# KiCad board OPDM.kicad_pcb
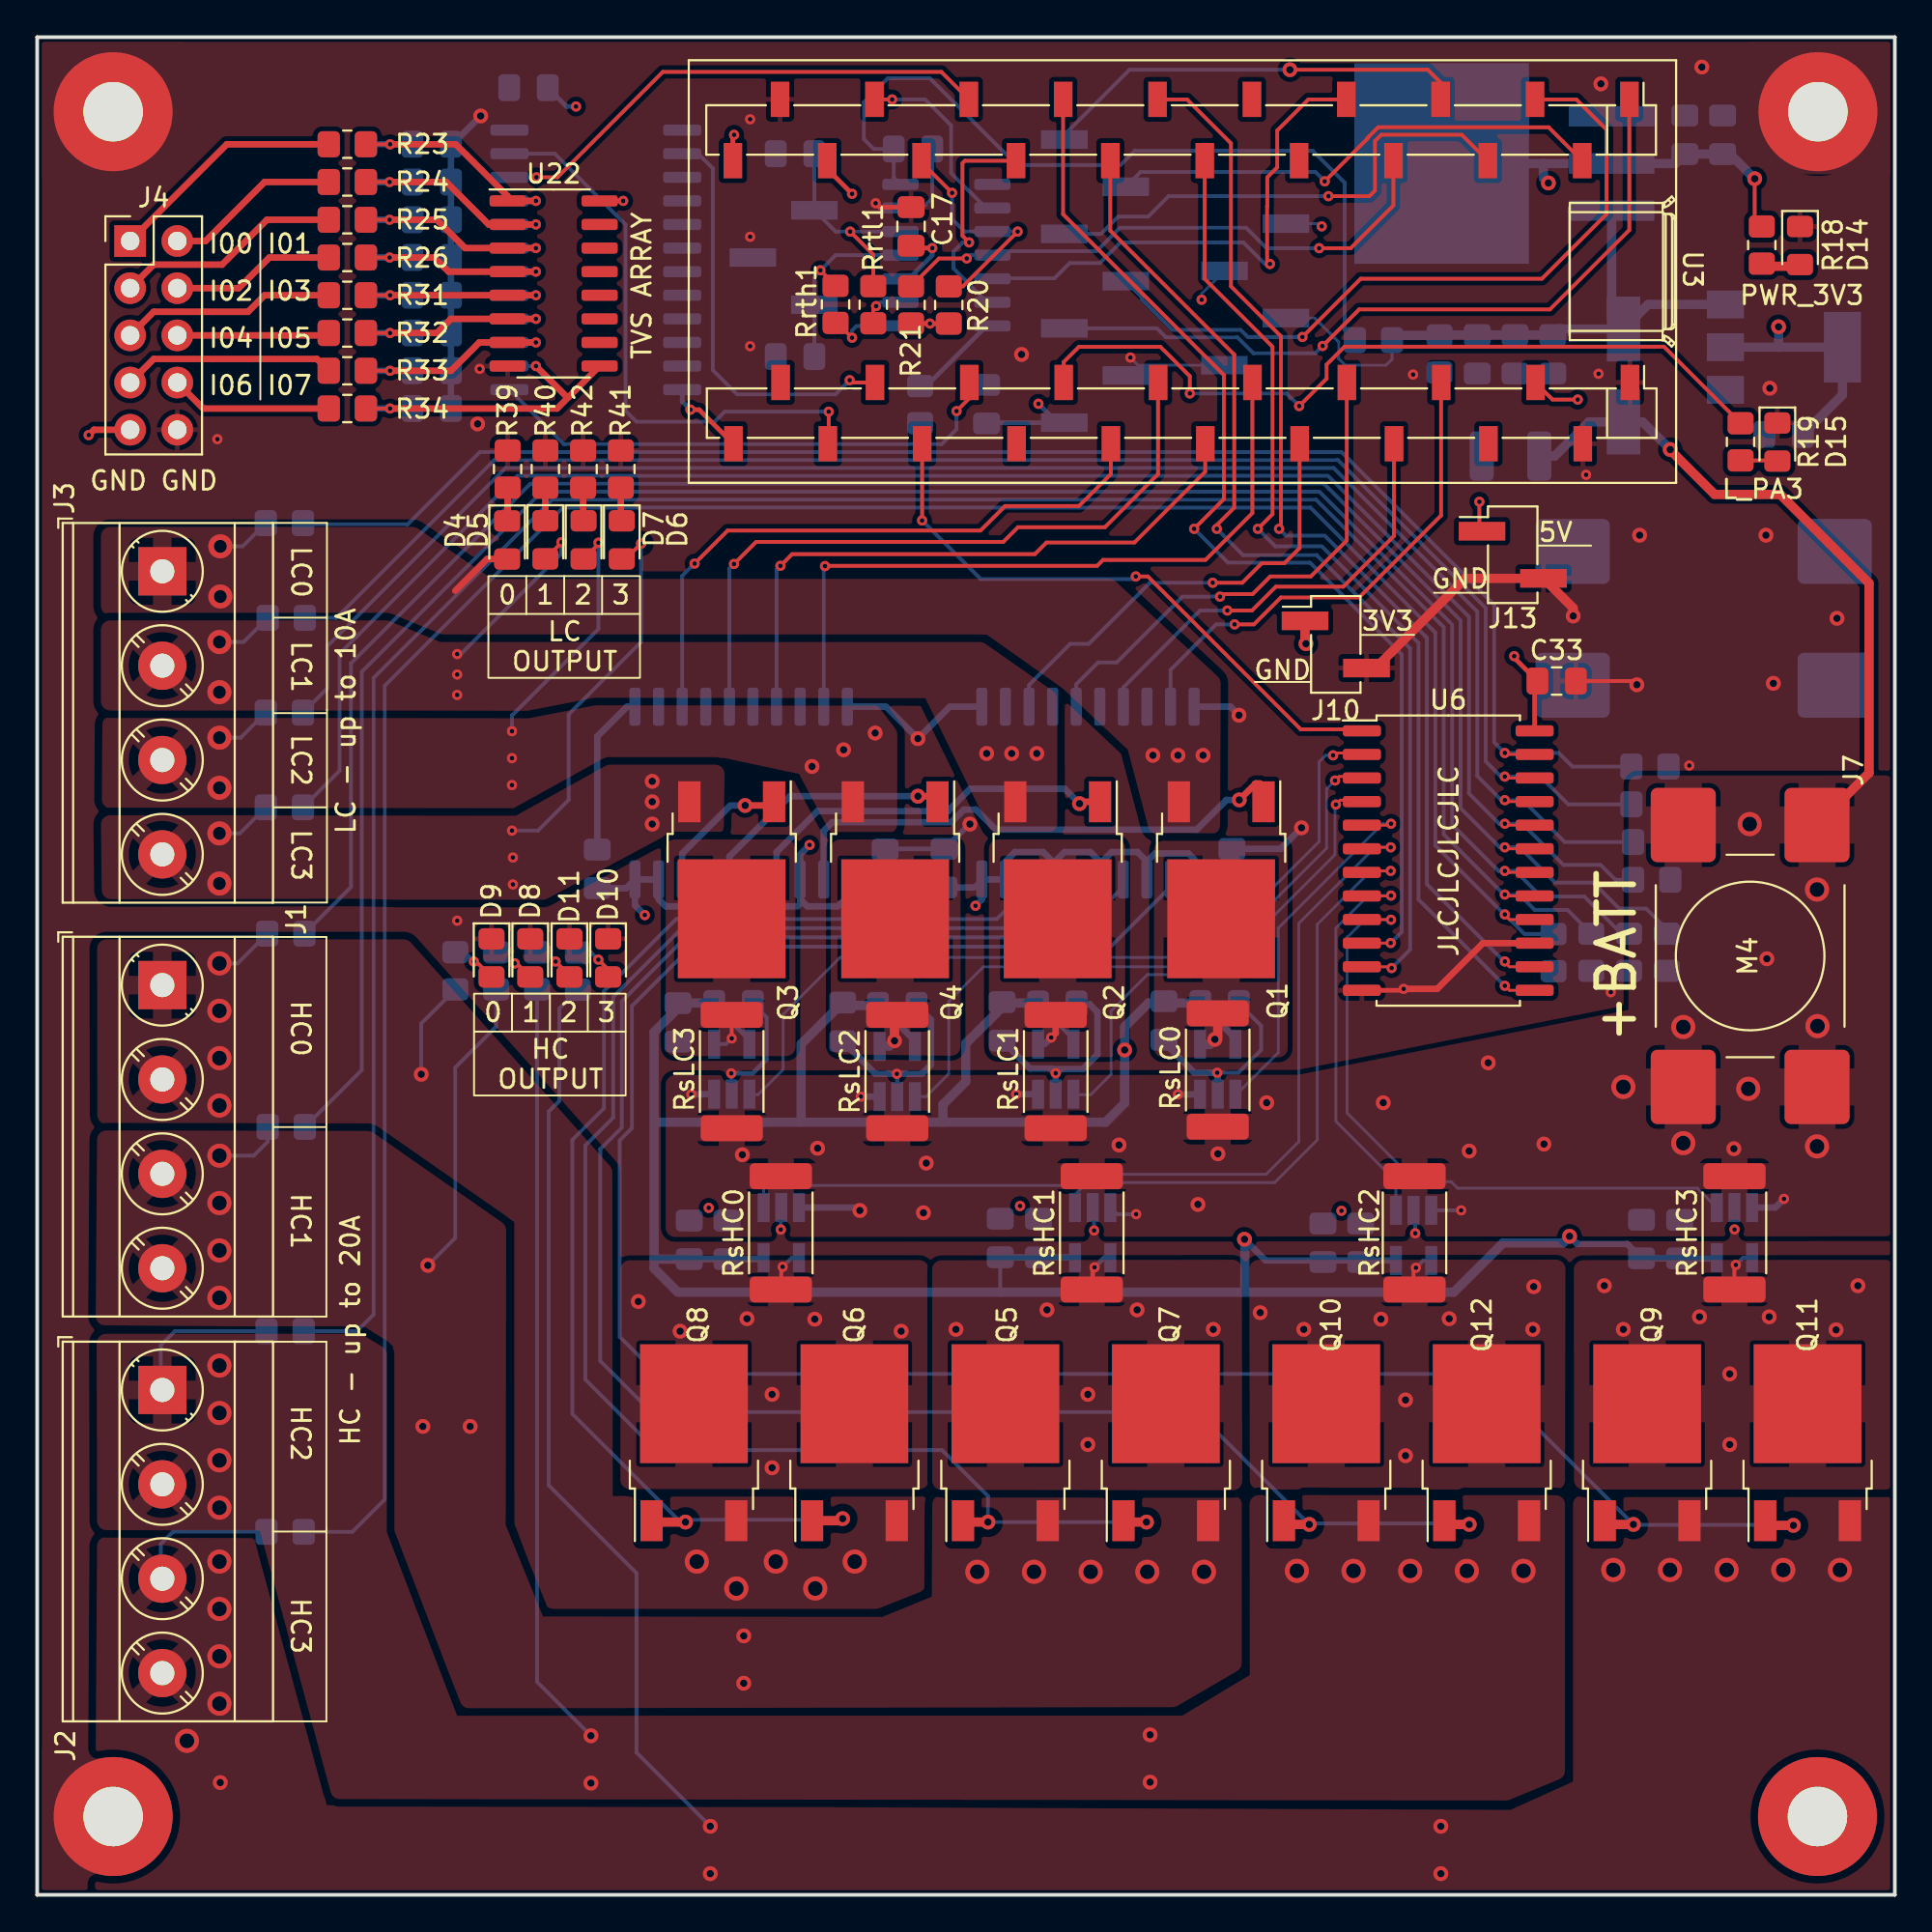
[diagram p0: board, top side]
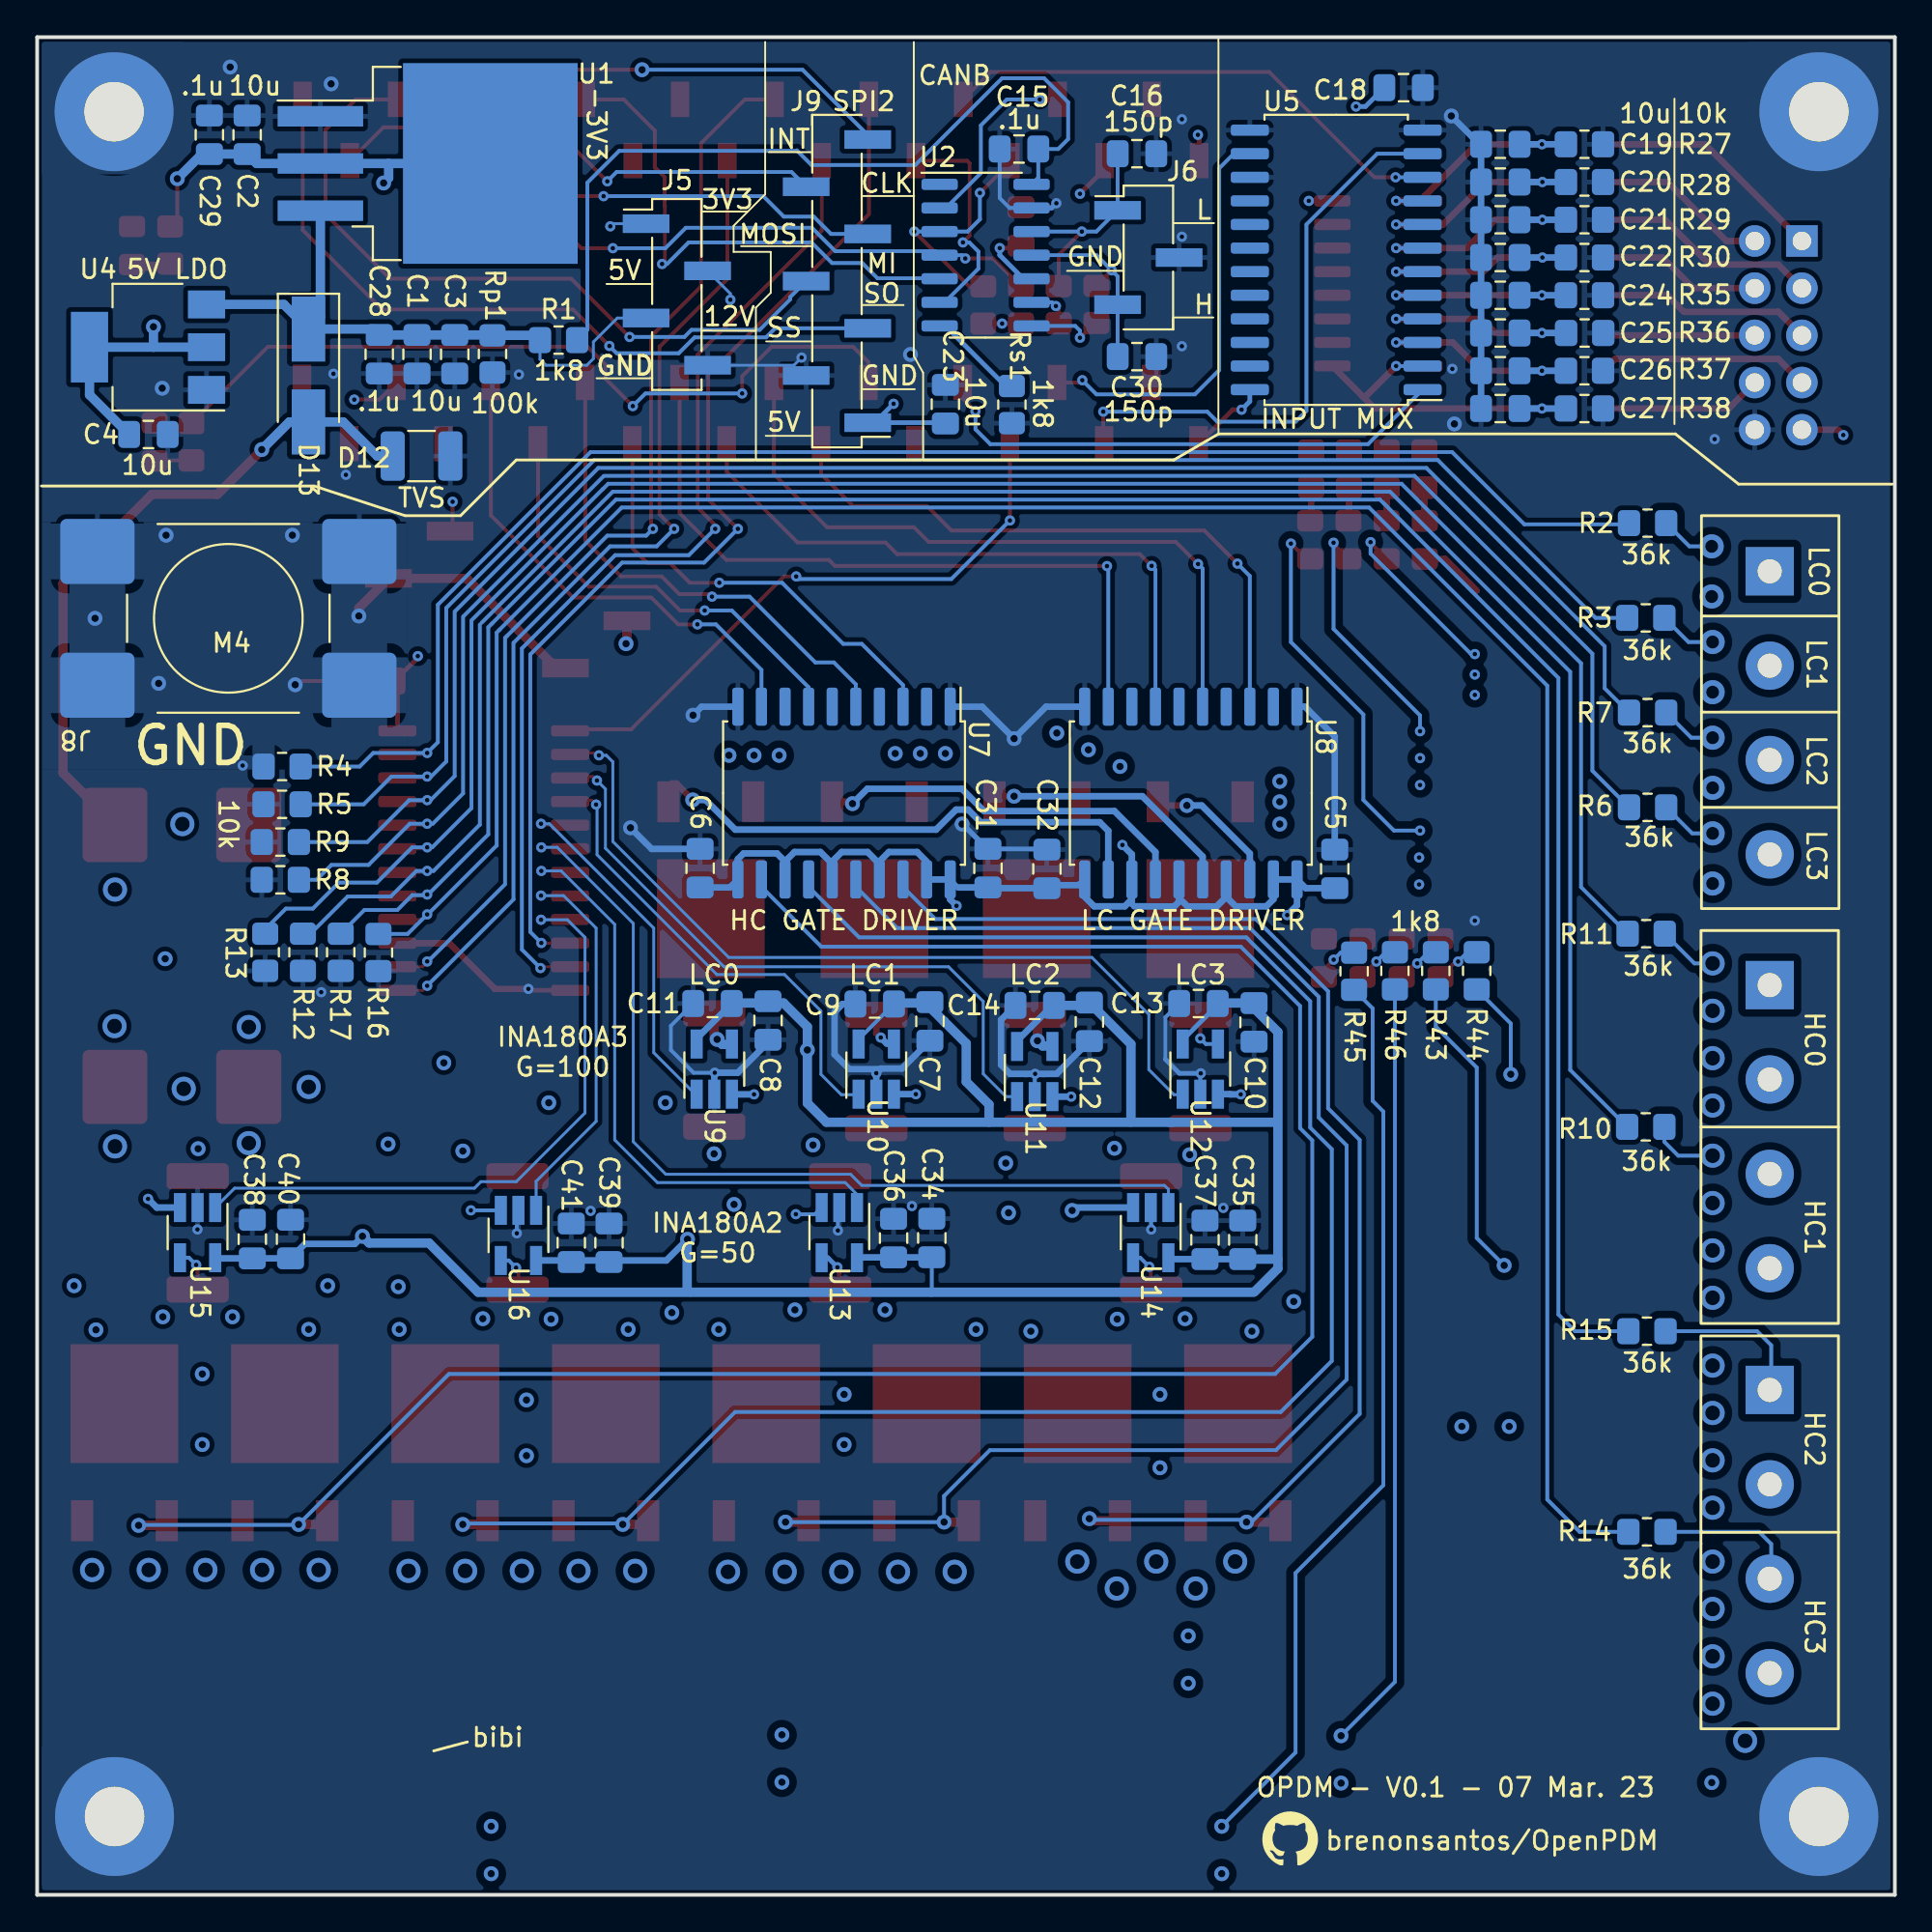
[diagram p1: board, bottom side, seen from below]

Outline 100 x 100 mm; copper layers: Top, In1.Cu (plane), In2.Cu (plane), Bottom. Coordinates in mm from the lower left corner of the outline.
Outline path: 0,100 0,0 100,0 100,100 0,100
Stack: Top 0.035mm / dielectric 1.51mm FR4 er 4.5 / In1.Cu 0.035mm / dielectric 1.51mm FR4 er 4.5 / In2.Cu 0.035mm / dielectric 1.51mm FR4 er 4.5 / Bottom 0.035mm

## Placement (name value [footprint] x y rotation side)
C1  10u  [C_0805_2012Metric_Pad1.18x1.45mm_HandSolder]  79.55 82.93 270 bottom
C2  10u  [C_0805_2012Metric_Pad1.18x1.45mm_HandSolder]  88.7 94.74 90 bottom
C3  10u  [C_0805_2012Metric_Pad1.18x1.45mm_HandSolder]  77.52 82.93 270 bottom
C4  10u  [C_0805_2012Metric_Pad1.18x1.45mm_HandSolder]  94.01 78.61 180 bottom
C5  10u  [C_0805_2012Metric_Pad1.18x1.45mm_HandSolder]  30.15 55.23 90 bottom
C6  10u  [C_0805_2012Metric_Pad1.18x1.45mm_HandSolder]  64.31 55.27 90 bottom
C7  10u  [C_0805_2012Metric_Pad1.18x1.45mm_HandSolder]  51.94 47.02 270 bottom
C8  10u  [C_0805_2012Metric_Pad1.18x1.45mm_HandSolder]  60.66 47.07 270 bottom
C9  100n  [C_0805_2012Metric_Pad1.18x1.45mm_HandSolder]  54.92 47.96 0 bottom
C10  100n  [C_0805_2012Metric_Pad1.18x1.45mm_HandSolder]  34.49 46.96 270 bottom
C11  100n  [C_0805_2012Metric_Pad1.18x1.45mm_HandSolder]  63.65 47.98 0 bottom
C12  10u  [C_0805_2012Metric_Pad1.18x1.45mm_HandSolder]  43.36 46.99 270 bottom
C13  10u  [C_0805_2012Metric_Pad1.18x1.45mm_HandSolder]  37.49 47.98 0 bottom
C14  100n  [C_0805_2012Metric_Pad1.18x1.45mm_HandSolder]  46.3 47.88 0 bottom
C15  100n  [C_0805_2012Metric_Pad1.18x1.45mm_HandSolder]  47.15 93.98 180 bottom
C16  150p  [C_0805_2012Metric_Pad1.18x1.45mm_HandSolder]  40.8 93.73 0 bottom
C17  100n  [C_0805_2012Metric_Pad1.18x1.45mm_HandSolder]  47.04 89.81 90 top
C18  10u  [C_0805_2012Metric_Pad1.18x1.45mm_HandSolder]  26.45 97.28 180 bottom
C19  10u  [C_0805_2012Metric_Pad1.18x1.45mm_HandSolder]  21.24 94.23 0 bottom
C20  10u  [C_0805_2012Metric_Pad1.18x1.45mm_HandSolder]  21.24 92.2 0 bottom
C21  10u  [C_0805_2012Metric_Pad1.18x1.45mm_HandSolder]  21.24 90.17 0 bottom
C22  10u  [C_0805_2012Metric_Pad1.18x1.45mm_HandSolder]  21.24 88.14 0 bottom
C23  10u  [C_0805_2012Metric_Pad1.18x1.45mm_HandSolder]  51.11 80.24 90 bottom
C24  10u  [C_0805_2012Metric_Pad1.18x1.45mm_HandSolder]  21.24 86.11 0 bottom
C25  10u  [C_0805_2012Metric_Pad1.18x1.45mm_HandSolder]  21.24 84.07 0 bottom
C26  10u  [C_0805_2012Metric_Pad1.18x1.45mm_HandSolder]  21.24 82.04 0 bottom
C27  10u  [C_0805_2012Metric_Pad1.18x1.45mm_HandSolder]  21.24 80.01 0 bottom
C28  100n  [C_0805_2012Metric_Pad1.18x1.45mm_HandSolder]  81.59 82.93 270 bottom
C29  100n  [C_0805_2012Metric_Pad1.18x1.45mm_HandSolder]  90.73 94.74 90 bottom
C30  150p  [C_0805_2012Metric_Pad1.18x1.45mm_HandSolder]  40.8 82.8 0 bottom
C31  10u  [C_0805_2012Metric_Pad1.18x1.45mm_HandSolder]  48.82 55.27 90 bottom
C32  10u  [C_0805_2012Metric_Pad1.18x1.45mm_HandSolder]  45.64 55.23 90 bottom
C33  10u  [C_0805_2012Metric_Pad1.18x1.45mm_HandSolder]  81.8 65.34 0 top
C34  10u  [C_0805_2012Metric_Pad1.18x1.45mm_HandSolder]  51.84 35.36 90 bottom
C35  10u  [C_0805_2012Metric_Pad1.18x1.45mm_HandSolder]  35.1 35.26 90 bottom
C36  100n  [C_0805_2012Metric_Pad1.18x1.45mm_HandSolder]  53.9 35.35 90 bottom
C37  100n  [C_0805_2012Metric_Pad1.18x1.45mm_HandSolder]  37.14 35.26 90 bottom
C38  10u  [C_0805_2012Metric_Pad1.18x1.45mm_HandSolder]  88.42 35.3 90 bottom
C39  10u  [C_0805_2012Metric_Pad1.18x1.45mm_HandSolder]  69.22 35.1 90 bottom
C40  100n  [C_0805_2012Metric_Pad1.18x1.45mm_HandSolder]  86.36 35.3 90 bottom
C41  100n  [C_0805_2012Metric_Pad1.18x1.45mm_HandSolder]  71.25 35.1 90 bottom
D4  LED_LC0  [LED_0805_2012Metric_Pad1.15x1.40mm_HandSolder]  25.3 72.93 270 top
D5  LED_LC1  [LED_0805_2012Metric_Pad1.15x1.40mm_HandSolder]  27.36 72.94 270 top
D6  LED_LC3  [LED_0805_2012Metric_Pad1.15x1.40mm_HandSolder]  31.47 72.94 270 top
D7  LED_LC2  [LED_0805_2012Metric_Pad1.15x1.40mm_HandSolder]  29.41 72.94 270 top
D8  LED_HC1  [LED_0805_2012Metric_Pad1.15x1.40mm_HandSolder]  26.54 50.44 270 top
D9  LED_HC1  [LED_0805_2012Metric_Pad1.15x1.40mm_HandSolder]  24.46 50.44 270 top
D10  LED_HC3  [LED_0805_2012Metric_Pad1.15x1.40mm_HandSolder]  30.73 50.44 270 top
D11  LED_HC2  [LED_0805_2012Metric_Pad1.15x1.40mm_HandSolder]  28.65 50.44 270 top
D12  D_TVS  [R_1210_3225Metric_Pad1.30x2.65mm_HandSolder]  79.31 77.45 0 bottom
D13  SSA23L  [D_SMA_Handsoldering]  85.39 81.79 270 bottom
D14  LED_PWR_3V3  [LED_0805_2012Metric_Pad1.15x1.40mm_HandSolder]  94.89 88.78 270 top
D15  LED_STATUS  [LED_0805_2012Metric_Pad1.15x1.40mm_HandSolder]  93.68 78.21 270 top
G***  -  [LOGO]  83.94 5.77 180 bottom
G***#2  -  [LOGO]  32.55 3.06 180 bottom
H1  MountingHole_Pad  [MountingHole_3.2mm_M3_Pad]  4.09 4.22 0 top
H2  MountingHole_Pad  [MountingHole_3.2mm_M3_Pad]  4.09 95.99 0 top
H3  MountingHole_Pad  [MountingHole_3.2mm_M3_Pad]  95.83 4.22 0 top
H4  MountingHole_Pad  [MountingHole_3.2mm_M3_Pad]  95.86 95.99 0 top
J1  Conn_01x04  [TerminalBlock_Phoenix_MKDS-3-4-5.08_1x04_P5.08mm_Horizontal]  6.74 48.97 270 top
J2  Conn_01x04  [TerminalBlock_Phoenix_MKDS-3-4-5.08_1x04_P5.08mm_Horizontal]  6.74 27.18 270 top
J3  Conn_01x04  [TerminalBlock_Phoenix_MKDS-3-4-5.08_1x04_P5.08mm_Horizontal]  6.74 71.25 270 top
J4  Conn_02x05_Odd_Even  [PinHeader_2x05_P2.54mm_Vertical]  5 89.03 0 top
J5  Conn_01x04  [PinHeader_1x04_P2.54mm_Vertical_SMD_Pin1Left]  65.56 86.15 180 bottom
J6  Conn_01x03  [PinHeader_1x03_P2.54mm_Vertical_SMD_Pin1Left]  40.18 88.14 180 bottom
J7  Conn_01x01  [Welding_Terminal_T54010B]  92.21 50.54 90 top
J8  Conn_01x01  [Welding_Terminal_T54010B]  89.71 68.72 180 bottom
J9  Conn_01x07  [PinHeader_1x07_P2.54mm_Vertical_SMD_Pin1Left]  56.95 86.87 0 bottom
J10  Conn_01x02  [PinHeader_1x02_P2.54mm_Vertical_SMD_Pin1Left]  69.91 67.31 0 top
J13  Conn_01x02  [PinHeader_1x02_P2.54mm_Vertical_SMD_Pin1Left]  79.43 72.14 0 top
Q1  Q_NMOS_GDS  [TO-252-2]  63.73 54.64 270 top
Q2  Q_NMOS_GDS  [TO-252-2]  54.94 54.64 270 top
Q3  Q_NMOS_GDS  [TO-252-2]  37.39 54.64 270 top
Q4  Q_NMOS_GDS  [TO-252-2]  46.19 54.64 270 top
Q5  Q_NMOS_GDS  [TO-252-2]  52.12 24.34 90 top
Q6  Q_NMOS_GDS  [TO-252-2]  43.99 24.34 90 top
Q7  Q_NMOS_GDS  [TO-252-2]  60.76 24.34 90 top
Q8  Q_NMOS_GDS  [TO-252-2]  35.36 24.34 90 top
Q9  Q_NMOS_GDS  [TO-252-2]  86.66 24.34 90 top
Q10  Q_NMOS_GDS  [TO-252-2]  69.39 24.34 90 top
Q11  Q_NMOS_GDS  [TO-252-2]  95.3 24.34 90 top
Q12  Q_NMOS_GDS  [TO-252-2]  78.03 24.34 90 top
R1  1k8  [R_0805_2012Metric_Pad1.20x1.40mm_HandSolder]  71.93 83.69 180 bottom
R2  36k  [R_0805_2012Metric_Pad1.20x1.40mm_HandSolder]  13.31 73.84 0 bottom
R3  36k  [R_0805_2012Metric_Pad1.20x1.40mm_HandSolder]  13.41 68.74 0 bottom
R4  10k  [R_0805_2012Metric_Pad1.20x1.40mm_HandSolder]  86.81 60.74 0 bottom
R5  10k  [R_0805_2012Metric_Pad1.20x1.40mm_HandSolder]  86.81 58.7 0 bottom
R6  36k  [R_0805_2012Metric_Pad1.20x1.40mm_HandSolder]  13.31 58.54 0 bottom
R7  36k  [R_0805_2012Metric_Pad1.20x1.40mm_HandSolder]  13.31 63.64 0 bottom
R8  10k  [R_0805_2012Metric_Pad1.20x1.40mm_HandSolder]  86.91 54.64 0 bottom
R9  10k  [R_0805_2012Metric_Pad1.20x1.40mm_HandSolder]  86.91 56.67 0 bottom
R10  36k  [R_0805_2012Metric_Pad1.20x1.40mm_HandSolder]  13.41 41.34 0 bottom
R11  36k  [R_0805_2012Metric_Pad1.20x1.40mm_HandSolder]  13.39 51.74 0 bottom
R12  10k  [R_0805_2012Metric_Pad1.20x1.40mm_HandSolder]  85.69 50.74 270 bottom
R13  10k  [R_0805_2012Metric_Pad1.20x1.40mm_HandSolder]  87.72 50.74 270 bottom
R14  36k  [R_0805_2012Metric_Pad1.20x1.40mm_HandSolder]  13.34 19.54 0 bottom
R15  36k  [R_0805_2012Metric_Pad1.20x1.40mm_HandSolder]  13.34 30.34 0 bottom
R16  10k  [R_0805_2012Metric_Pad1.20x1.40mm_HandSolder]  81.63 50.72 270 bottom
R17  10k  [R_0805_2012Metric_Pad1.20x1.40mm_HandSolder]  83.66 50.74 270 bottom
R18  1k8  [R_0805_2012Metric_Pad1.20x1.40mm_HandSolder]  92.84 88.81 90 top
R19  1k8  [R_0805_2012Metric_Pad1.20x1.40mm_HandSolder]  91.69 78.22 90 top
R20  3k3  [R_0805_2012Metric_Pad1.20x1.40mm_HandSolder]  49.07 85.58 270 top
R21  3k3  [R_0805_2012Metric_Pad1.20x1.40mm_HandSolder]  47.04 85.58 270 top
R23  36k  [R_0805_2012Metric_Pad1.20x1.40mm_HandSolder]  16.69 94.23 0 top
R24  36k  [R_0805_2012Metric_Pad1.20x1.40mm_HandSolder]  16.69 92.2 0 top
R25  36k  [R_0805_2012Metric_Pad1.20x1.40mm_HandSolder]  16.69 90.17 0 top
R26  36k  [R_0805_2012Metric_Pad1.20x1.40mm_HandSolder]  16.69 88.14 0 top
R27  10k  [R_0805_2012Metric_Pad1.20x1.40mm_HandSolder]  16.71 94.23 180 bottom
R28  10k  [R_0805_2012Metric_Pad1.20x1.40mm_HandSolder]  16.71 92.2 180 bottom
R29  10k  [R_0805_2012Metric_Pad1.20x1.40mm_HandSolder]  16.71 90.17 180 bottom
R30  10k  [R_0805_2012Metric_Pad1.20x1.40mm_HandSolder]  16.71 88.14 180 bottom
R31  36k  [R_0805_2012Metric_Pad1.20x1.40mm_HandSolder]  16.69 86.11 0 top
R32  36k  [R_0805_2012Metric_Pad1.20x1.40mm_HandSolder]  16.69 84.07 0 top
R33  36k  [R_0805_2012Metric_Pad1.20x1.40mm_HandSolder]  16.69 82.04 0 top
R34  36k  [R_0805_2012Metric_Pad1.20x1.40mm_HandSolder]  16.69 80.01 0 top
R35  10k  [R_0805_2012Metric_Pad1.20x1.40mm_HandSolder]  16.71 86.11 180 bottom
R36  10k  [R_0805_2012Metric_Pad1.20x1.40mm_HandSolder]  16.7 84.07 180 bottom
R37  10k  [R_0805_2012Metric_Pad1.20x1.40mm_HandSolder]  16.71 82.04 180 bottom
R38  10k  [R_0805_2012Metric_Pad1.20x1.40mm_HandSolder]  16.71 80.01 180 bottom
R39  1k8  [R_0805_2012Metric_Pad1.20x1.40mm_HandSolder]  25.32 76.75 270 top
R40  1k8  [R_0805_2012Metric_Pad1.20x1.40mm_HandSolder]  27.36 76.75 270 top
R41  1k8  [R_0805_2012Metric_Pad1.20x1.40mm_HandSolder]  31.42 76.75 270 top
R42  1k8  [R_0805_2012Metric_Pad1.20x1.40mm_HandSolder]  29.39 76.75 270 top
R43  1k8  [R_0805_2012Metric_Pad1.20x1.40mm_HandSolder]  24.71 49.74 270 bottom
R44  1k8  [R_0805_2012Metric_Pad1.20x1.40mm_HandSolder]  22.51 49.74 270 bottom
R45  1k8  [R_0805_2012Metric_Pad1.20x1.40mm_HandSolder]  29.11 49.72 270 bottom
R46  1k8  [R_0805_2012Metric_Pad1.20x1.40mm_HandSolder]  26.91 49.74 270 bottom
Rp1  100k  [R_0805_2012Metric_Pad1.20x1.40mm_HandSolder]  75.49 82.95 90 bottom
Rrth1  500  [R_0805_2012Metric_Pad1.20x1.40mm_HandSolder]  42.98 85.61 90 top
Rrtl1  500  [R_0805_2012Metric_Pad1.20x1.40mm_HandSolder]  45.01 85.6 90 top
Rs1  1k8  [R_0805_2012Metric_Pad1.20x1.40mm_HandSolder]  47.53 80.22 90 bottom
RsHC0  3m  [R_2512_6332Metric_Pad1.40x3.35mm_HandSolder]  40.03 35.63 270 top
RsHC1  3m  [R_2512_6332Metric_Pad1.40x3.35mm_HandSolder]  56.77 35.63 270 top
RsHC2  3m  [R_2512_6332Metric_Pad1.40x3.35mm_HandSolder]  74.14 35.63 270 top
RsHC3  3m  [R_2512_6332Metric_Pad1.40x3.35mm_HandSolder]  91.36 35.63 270 top
RsLC0  3m  [R_2512_6332Metric_Pad1.40x3.35mm_HandSolder]  63.55 44.4 90 top
RsLC1  3m  [R_2512_6332Metric_Pad1.40x3.35mm_HandSolder]  54.83 44.32 90 top
RsLC2  3m  [R_2512_6332Metric_Pad1.40x3.35mm_HandSolder]  46.3 44.32 90 top
RsLC3  3m  [R_2512_6332Metric_Pad1.40x3.35mm_HandSolder]  37.39 44.32 90 top
U1  LD1086D2M33TR  [TO-263-3_TabPin2]  78.98 93.2 180 bottom
U2  TJA1055T/3  [SOIC-14_3.9x8.7mm_P1.27mm]  48.95 88.27 180 bottom
U3  STM32 BluePill  [BluePill_SMD]  62.98 87.44 270 top
U4  LD0186D2T50TR  [SOT-223-3_TabPin2]  94.03 83.31 0 bottom
U5  CD74HC4067M  [SOIC-24W_7.5x15.4mm_P1.27mm]  30.07 88.01 0 bottom
U6  CD74HC4067M  [SOIC-24W_7.5x15.4mm_P1.27mm]  75.96 55.67 0 top
U7  LT1161CSW-PBF  [SOIC-20W_7.5x12.8mm_P1.27mm]  56.57 59.31 270 bottom
U8  LT1161CSW-PBF  [SOIC-20W_7.5x12.8mm_P1.27mm]  37.9 59.31 270 bottom
U9  INA180A3  [SOT-23-5_HandSoldering]  63.55 44.45 90 bottom
U10  INA180A3  [SOT-23-5_HandSoldering]  54.83 44.45 90 bottom
U11  INA180A3  [SOT-23-5_HandSoldering]  46.3 44.32 90 bottom
U12  INA180A3  [SOT-23-5_HandSoldering]  37.39 44.45 90 bottom
U13  INA180A2  [SOT-23-5_HandSoldering]  56.82 35.65 270 bottom
U14  INA180A2  [SOT-23-5_HandSoldering]  40.06 35.65 270 bottom
U15  INA180A2  [SOT-23-5_HandSoldering]  91.36 35.65 270 bottom
U16  INA180A2  [SOT-23-5_HandSoldering]  74.09 35.5 270 bottom
U22  SP720ABG  [SOIC-16_3.9x9.9mm_P1.27mm]  27.8 86.74 0 top

## Footprints (pads in the part's own frame, mm; a bottom-side part is the same pattern mirrored in y, then rotated)
BluePill_SMD
  rect 1.9x1 smd: 1(-9.21,22.73) 2(-5.91,20.19) 3(-9.21,17.65) 4(-5.91,15.11) 5(-9.21,12.57) 6(-5.91,10.03) 7(-9.21,7.49) 8(-5.91,4.95) 9(-9.21,2.41) 10(-5.91,-0.13) 11(-9.21,-2.67) 12(-5.91,-5.21) 13(-9.21,-7.75) 14(-5.91,-10.29) 15(-9.21,-12.83) 16(-5.91,-15.37) 17(-9.21,-17.91) 18(-5.91,-20.45) 19(-9.21,-22.99) 20(-5.91,-25.53) 21(9.33,-25.5) 22(6.03,-22.96) 23(9.33,-20.42) 24(6.03,-17.88) 25(9.33,-15.34) 26(6.03,-12.8) 27(9.33,-10.26) 28(6.03,-7.72) 29(9.33,-5.18) 30(6.03,-2.64) 31(9.33,-0.1) 32(6.03,2.44) 33(9.33,4.98) 34(6.03,7.52) 35(9.33,10.06) 36(6.03,12.6) 37(9.33,15.14) 38(6.03,17.68) 39(9.33,20.22) 40(6.03,22.76)
C_0805_2012Metric_Pad1.18x1.45mm_HandSolder
  rrect 1.175x1.45 smd: 1(-1.038,0) 2(1.038,0)
D_SMA_Handsoldering
  rect 3.5x1.8 smd: 1(-2.5,0) 2(2.5,0)
LED_0805_2012Metric_Pad1.15x1.40mm_HandSolder
  rrect 1.15x1.4 smd: 1(-1.025,0) 2(1.025,0)
MountingHole_3.2mm_M3_Pad
  round 6.4 hole 3.2: 1(0,0)
PinHeader_1x02_P2.54mm_Vertical_SMD_Pin1Left
  rect 2.51x1 smd: 1(-1.655,1.27) 2(1.655,-1.27)
PinHeader_1x03_P2.54mm_Vertical_SMD_Pin1Left
  rect 2.51x1 smd: 1(-1.655,2.54) 2(1.655,0) 3(-1.655,-2.54)
PinHeader_1x04_P2.54mm_Vertical_SMD_Pin1Left
  rect 2.51x1 smd: 1(-1.655,3.81) 2(1.655,1.27) 3(-1.655,-1.27) 4(1.655,-3.81)
PinHeader_1x07_P2.54mm_Vertical_SMD_Pin1Left
  rect 2.51x1 smd: 1(-1.655,7.62) 2(1.655,5.08) 3(-1.655,2.54) 4(1.655,0) 5(-1.655,-2.54) 6(1.655,-5.08) 7(-1.655,-7.62)
PinHeader_2x05_P2.54mm_Vertical
  rect 1.7x1.7 hole 1: 1(0,0)
  oval 1.7x1.7 hole 1: 2(2.54,0) 3(0,-2.54) 4(2.54,-2.54) 5(0,-5.08) 6(2.54,-5.08) 7(0,-7.62) 8(2.54,-7.62) 9(0,-10.16) 10(2.54,-10.16)
R_0805_2012Metric_Pad1.20x1.40mm_HandSolder
  rrect 1.2x1.4 smd: 1(-1,0) 2(1,0)
R_1210_3225Metric_Pad1.30x2.65mm_HandSolder
  rrect 1.3x2.65 smd: 1(-1.55,0) 2(1.55,0)
R_2512_6332Metric_Pad1.40x3.35mm_HandSolder
  rrect 1.4x3.35 smd: 1(-3.05,0) 2(3.05,0)
SOIC-14_3.9x8.7mm_P1.27mm
  rrect 1.95x0.6 smd: 1(-2.475,3.81) 2(-2.475,2.54) 3(-2.475,1.27) 4(-2.475,0) 5(-2.475,-1.27) 6(-2.475,-2.54) 7(-2.475,-3.81) 8(2.475,-3.81) 9(2.475,-2.54) 10(2.475,-1.27) 11(2.475,0) 12(2.475,1.27) 13(2.475,2.54) 14(2.475,3.81)
SOIC-16_3.9x9.9mm_P1.27mm
  rrect 1.95x0.6 smd: 1(-2.475,4.445) 2(-2.475,3.175) 3(-2.475,1.905) 4(-2.475,0.635) 5(-2.475,-0.635) 6(-2.475,-1.905) 7(-2.475,-3.175) 8(-2.475,-4.445) 9(2.475,-4.445) 10(2.475,-3.175) 11(2.475,-1.905) 12(2.475,-0.635) 13(2.475,0.635) 14(2.475,1.905) 15(2.475,3.175) 16(2.475,4.445)
SOIC-20W_7.5x12.8mm_P1.27mm
  rrect 2.05x0.6 smd: 1(-4.65,5.715) 2(-4.65,4.445) 3(-4.65,3.175) 4(-4.65,1.905) 5(-4.65,0.635) 6(-4.65,-0.635) 7(-4.65,-1.905) 8(-4.65,-3.175) 9(-4.65,-4.445) 10(-4.65,-5.715) 11(4.65,-5.715) 12(4.65,-4.445) 13(4.65,-3.175) 14(4.65,-1.905) 15(4.65,-0.635) 16(4.65,0.635) 17(4.65,1.905) 18(4.65,3.175) 19(4.65,4.445) 20(4.65,5.715)
SOIC-24W_7.5x15.4mm_P1.27mm
  rrect 2.05x0.6 smd: 1(-4.65,6.985) 2(-4.65,5.715) 3(-4.65,4.445) 4(-4.65,3.175) 5(-4.65,1.905) 6(-4.65,0.635) 7(-4.65,-0.635) 8(-4.65,-1.905) 9(-4.65,-3.175) 10(-4.65,-4.445) 11(-4.65,-5.715) 12(-4.65,-6.985) 13(4.65,-6.985) 14(4.65,-5.715) 15(4.65,-4.445) 16(4.65,-3.175) 17(4.65,-1.905) 18(4.65,-0.635) 19(4.65,0.635) 20(4.65,1.905) 21(4.65,3.175) 22(4.65,4.445) 23(4.65,5.715) 24(4.65,6.985)
SOT-23-5_HandSoldering
  rect 1.56x0.65 smd: 1(-1.35,0.95) 2(-1.35,0) 3(-1.35,-0.95) 4(1.35,-0.95) 5(1.35,0.95)
SOT-223-3_TabPin2
  rect 2x1.5 smd: 1(-3.15,2.3) 2(-3.15,0) 3(-3.15,-2.3)
  rect 2x3.8 smd: 2(3.15,0)
TerminalBlock_Phoenix_MKDS-3-4-5.08_1x04_P5.08mm_Horizontal
  rect 2.6x2.6 hole 1.3: 1(0,0)
  round 2.6 hole 1.3: 2(5.08,0) 3(10.16,0) 4(15.24,0)
TO-252-2
  rect 3.05x2.75 smd: (0.425,1.525) (0.425,-1.525) (3.775,1.525) (3.775,-1.525)
  rect 2.2x1.2 smd: 1(-4.2,2.28) 3(-4.2,-2.28)
  rect 6.4x5.8 smd: 2(2.1,0)
TO-263-3_TabPin2
  rect 4.55x5.25 smd: (0.95,-2.775) (0.95,2.775) (5.8,-2.775) (5.8,2.775)
  rect 4.6x1.1 smd: 1(-5.775,2.54) 2(-5.775,0) 3(-5.775,-2.54)
  rect 9.4x10.8 smd: 2(3.375,0)
Welding_Terminal_T54010B
  rrect 4x3.5 smd: 1(-7.05,3.6) 1(-7.05,-3.6) 1(7.05,3.6) 1(7.05,-3.6)
